# KiCad board DFTBoard.kicad_pcb (continued)
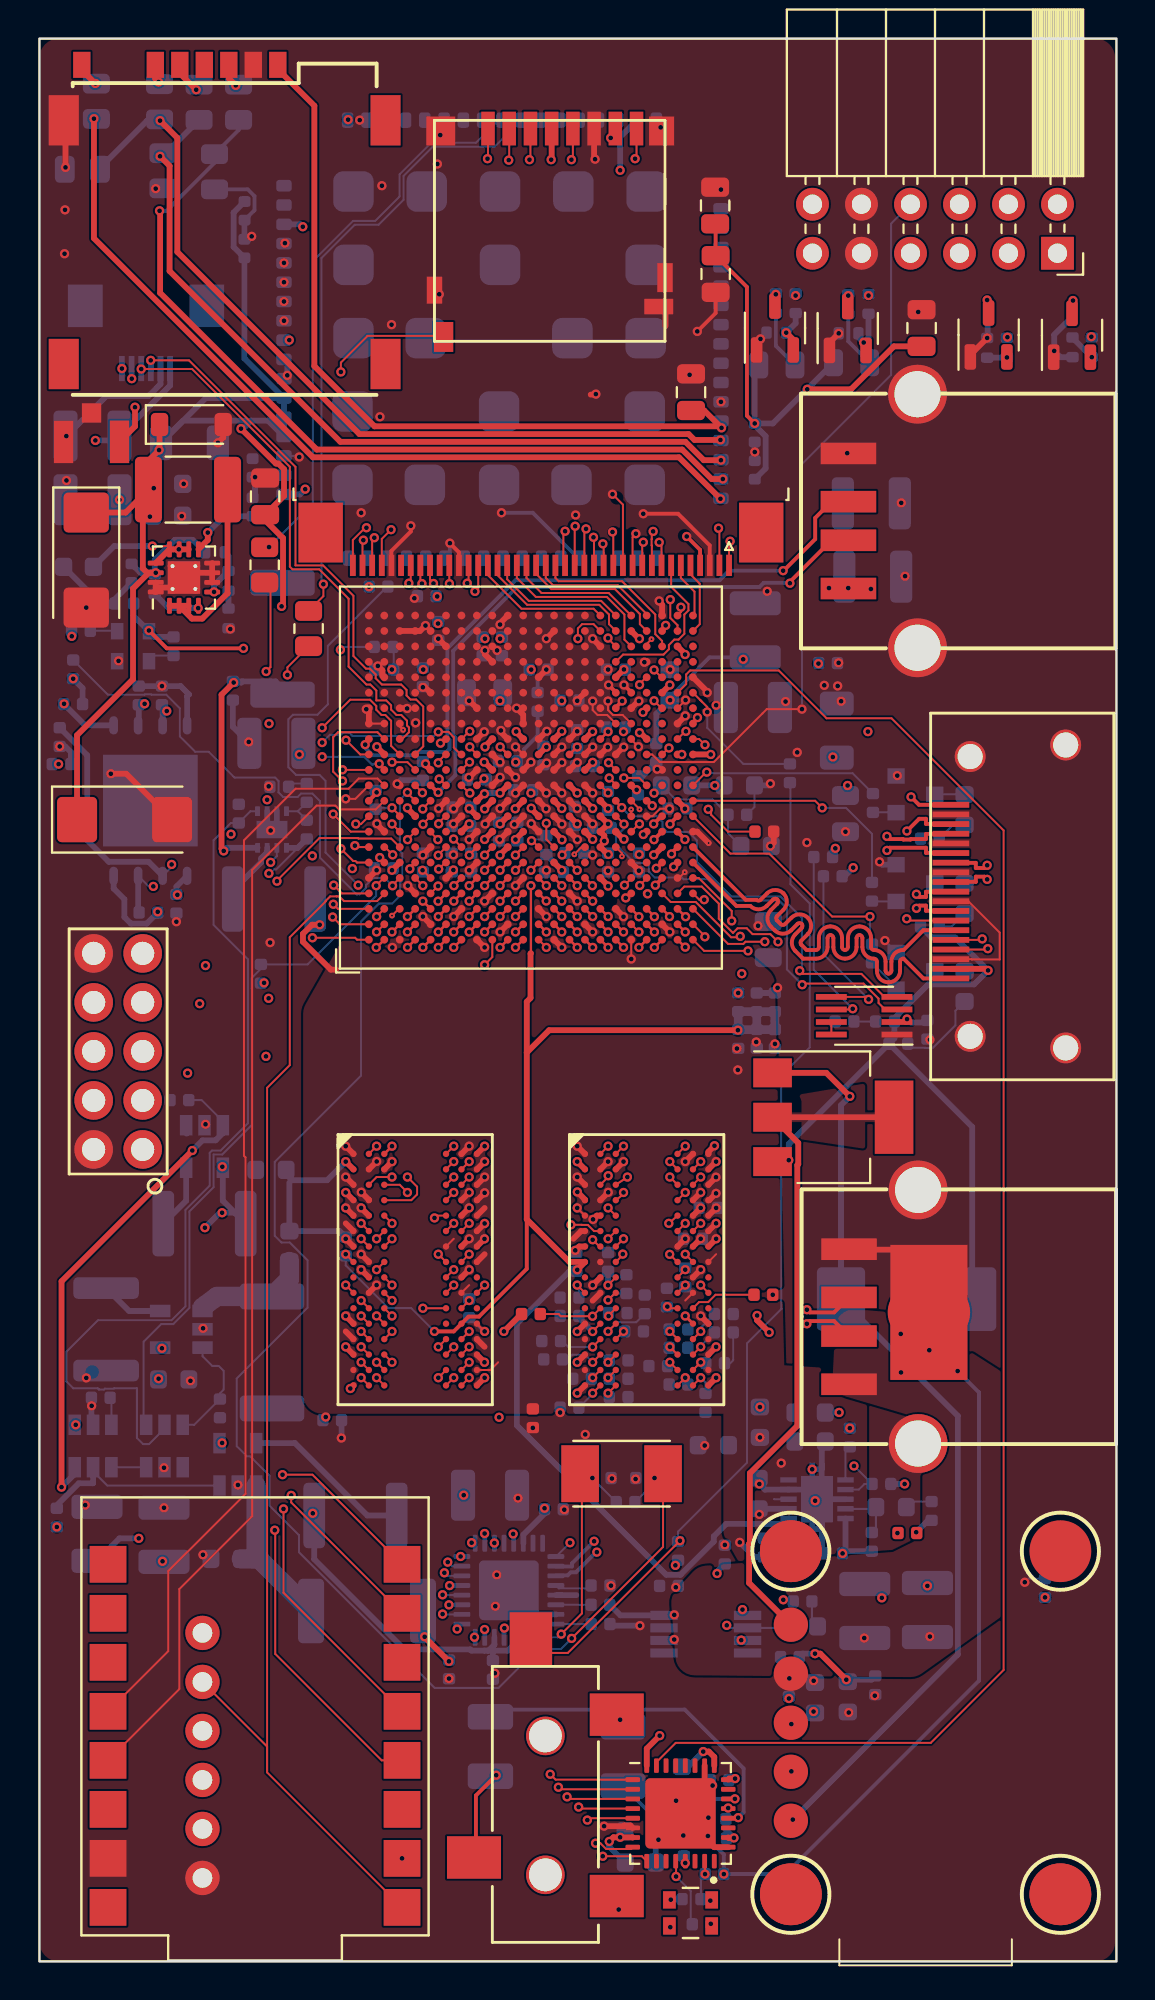
[diagram p0: board, top side]
## Nets (continued)
/USB/USBH_FLAG_LED: D3.2 R35.1
ACC_INT1: U20.W12
ACC_INT2: U20.V12
AX_TCLK: CON1.1 U20.G11
AX_TDI: CON1.9 U20.H13
AX_TDO: CON1.3 U20.G14
AX_TMS: CON1.5 U20.G12
BOOTSPI_CS: R106.1 U19.1 U20.A1
BOOTSPI_DQ0_BMODE3: R92.1 U19.5 U20.A2
BOOTSPI_DQ1_BMODE1: R94.1 U19.2 U20.F6
BOOTSPI_DQ2_BMODE2: R93.1 U19.3 U20.E4
BOOTSPI_DQ3_BMODE0: R95.1 U19.7 U20.A3
BOOTSPI_SCK_BMODE4: R91.1 U19.6 U20.A4
CLK33.33: R100.2 U18.3
CS: J3.38 U20.V8
DDR3_A0: R51.1 U15.N3 U16.N3 U20.M4
DDR3_A1: R52.1 U15.P7 U16.P7 U20.M5
DDR3_A2: R53.1 U15.P3 U16.P3 U20.K4
DDR3_A3: R54.1 U15.N2 U16.N2 U20.L4
DDR3_A4: R55.1 U15.P8 U16.P8 U20.K6
DDR3_A5: R56.1 U15.P2 U16.P2 U20.K5
DDR3_A6: R57.1 U15.R8 U16.R8 U20.J7
DDR3_A7: R58.1 U15.R2 U16.R2 U20.J6
DDR3_A8: R59.1 U15.T8 U16.T8 U20.J5
DDR3_A9: R60.1 U15.R3 U16.R3 U20.H5
DDR3_A10: R61.1 U15.L7 U16.L7 U20.J3
DDR3_A11: R62.1 U15.R7 U16.R7 U20.G5
DDR3_A12: R63.1 U15.N7 U16.N7 U20.H4
DDR3_A13: R64.1 U15.T3 U16.T3 U20.F4
DDR3_A14: R65.1 U15.T7 U16.T7 U20.G4
DDR3_BA0: R66.1 U15.M2 U16.M2 U20.L7
DDR3_BA1: R67.1 U15.N8 U16.N8 U20.L6
DDR3_BA2: R68.1 U15.M3 U16.M3 U20.M6
DDR3_CAS#: R70.1 U15.K3 U16.K3 U20.P3
DDR3_CK_N: R50.2 U15.K7 U16.K7 U20.N5
DDR3_CK_P: R50.1 U15.J7 U16.J7 U20.N4
DDR3_CKE: U15.K9 U16.K9 U20.V3
DDR3_CS#: R73.1 U15.L2 U16.L2 U20.P6
DDR3_DM0: U16.E7 U20.B1
DDR3_DM1: U16.D3 U20.H3
DDR3_DM2: U15.E7 U20.P1
DDR3_DM3: U15.D3 U20.AA2
DDR3_DQ0: U16.E3 U20.C3
DDR3_DQ1: U16.F7 U20.F2
DDR3_DQ2: U16.F2 U20.B2
DDR3_DQ3: U16.F8 U20.F1
DDR3_DQ4: U16.H3 U20.E3
DDR3_DQ5: U16.H8 U20.E1
DDR3_DQ6: U16.G2 U20.D3
DDR3_DQ7: U16.H7 U20.D1
DDR3_DQ8: U16.D7 U20.L3
DDR3_DQ9: U16.C3 U20.L1
DDR3_DQ10: U16.C8 U20.L2
DDR3_DQ11: U16.C2 U20.J1
DDR3_DQ12: U16.A7 U20.K1
DDR3_DQ13: U16.A2 U20.G2
DDR3_DQ14: U16.B8 U20.K3
DDR3_DQ15: U16.A3 U20.G1
DDR3_DQ16: U15.E3 U20.T3
DDR3_DQ17: U15.F7 U20.T1
DDR3_DQ18: U15.F2 U20.M1
DDR3_DQ19: U15.F8 U20.T2
DDR3_DQ20: U15.H3 U20.M2
DDR3_DQ21: U15.H8 U20.R1
DDR3_DQ22: U15.G2 U20.N3
DDR3_DQ23: U15.H7 U20.R3
DDR3_DQ24: U15.D7 U20.AA3
DDR3_DQ25: U15.C3 U20.Y1
DDR3_DQ26: U15.C8 U20.Y3
DDR3_DQ27: U15.C2 U20.W1
DDR3_DQ28: U15.A7 U20.AA1
DDR3_DQ29: U15.A2 U20.U1
DDR3_DQ30: U15.B8 U20.W3
DDR3_DQ31: U15.A3 U20.U2
DDR3_DQS0_N: U16.G3 U20.D2
DDR3_DQS0_P: U16.F3 U20.C2
DDR3_DQS1_N: U16.B7 U20.J2
DDR3_DQS1_P: U16.C7 U20.H2
DDR3_DQS2_N: U15.G3 U20.P2
DDR3_DQS2_P: U15.F3 U20.N2
DDR3_DQS3_N: U15.B7 U20.W2
DDR3_DQS3_P: U15.C7 U20.V2
DDR3_DRST#: R74.1 U15.T2 U16.T2 U20.F3
DDR3_ODT: R72.1 U15.K1 U16.K1 U20.P5
DDR3_RAS#: R69.1 U15.J3 U16.J3 U20.R5
DDR3_VTT: C128.1 C129.1 C130.1 R51.2 R52.2 R53.2 R54.2 R55.2 R56.2 R57.2 R58.2 R59.2 R60.2 R61.2 R62.2 R63.2 R64.2 R65.2 R66.2 R67.2 R68.2 R69.2 R70.2 R71.2 R72.2 R73.2 U8.3 U8.5
DDR3_VTT_EN: R25.2 U8.7 U20.B6
DDR3_WE#: R71.1 U15.L3 U16.L3 U20.R4
DE: J3.34 U20.V10
ESP32 TX: U14.3 U20.B11
ESP33 RX: U14.4 U20.B10
GPRS_RX: R18.1 U14.20 U20.Y16
GPRS_TX: R22.1 U14.21 U20.W16
GPRSrst: R14.1 U14.9 U20.W18
HDMI_B_N: J9.3 U20.AA8
HDMI_B_P: J9.1 U20.AA9
HDMI_CEC: J9.13 U20.W5
HDMI_CLK_N: J9.12 U20.Y8
HDMI_CLK_P: J9.10 U20.Y9
HDMI_G_N: J9.6 U20.AA6
HDMI_G_P: J9.4 U20.AA7
HDMI_HEAC_N: J9.19 U20.AB6
HDMI_HEAC_P: J9.14 U20.AB7
HDMI_R_N: J9.9 U20.Y5
HDMI_R_P: J9.7 U20.Y6
HPCOM_N: C48.1 U9.20
HPCOM_P: C49.1 U9.22
HS: J3.32 U20.U7
I2C5_HDMI_SCLK: J9.15 R83.2 U21.6
I2C5_HDMI_SDA: J9.16 R82.2 U21.5
I2C33_HDMI_SCLK: U20.U9 U21.3
I2C33_HDMI_SDA: U20.U10 U21.4
I2C33_SCLK: R103.2 U9.8 U20.C5
I2C33_SDA: R104.2 U9.9 U20.A6
I2S_ADCSD: U9.5 U20.AB15
I2S_BCLK: U9.2 U20.AA13
I2S_DACSD: U9.4 U20.AA14
I2S_LRCLK: U9.3 U20.AB14
I2S_MCLK: U9.1 U20.Y13
IMU_INT1: U20.W15
IMU_INT2: U20.Y15
INIT_B: R10.1 U20.T14
IR_RX: U20.AA18
JD_HOUT: R31.1 U20.AB17
JD_IN: U20.W17
JD_LOUT: U20.AB16
JD_ROUT: U20.AB19
LCD_D0: J3.5 U20.AB21
LCD_D1: J3.6 U20.AB22
LCD_D2: J3.7 U20.U19
LCD_D3: J3.8 U20.W20
LCD_D4: J3.9 U20.V5
LCD_D5: J3.10 U20.AB5
LCD_D6: J3.11 U20.AB4
LCD_D7: J3.12 U20.AA4
LCD_D8: J3.13 U20.Y4
LCD_D9: J3.14 U20.AB2
LCD_D10: J3.15 U20.U20
LCD_D11: J3.16 U20.AA21
LCD_D12: J3.17 U20.AA22
LCD_D13: J3.18 U20.Y21
LCD_D14: J3.19 U20.Y20
LCD_D15: J3.20 U20.W22
LCD_D16: J3.21 U20.W21
LCD_D17: J3.22 U20.V22
LCD_D18: J3.23 U20.V20
LCD_D19: J3.24 U20.U22
LCD_D20: J3.25 U20.U21
LCD_D21: J3.26 U20.T22
LCD_D22: J3.27 U20.T21
LCD_D23: J3.28 U20.AB1
LED_1B_CTRL: U20.Y19
LED_1G_CTRL: U20.AB20
LED_1R_CTRL: U20.AA19
LED_2B_CTRL: U20.AA12
LED_2G_CTRL: U20.Y11
LED_2R_CTRL: U20.AB12
LEDA: J3.2 U20.U12
LEDK: J3.1 U20.U11
LOUT_N: U9.28
LOUT_P: U9.27
Pclk: J3.30 U20.R7
PCM_CLK: U13.11
PCM_DIN: U13.13
PCM_OUT: U13.14
PCM_SYNC: U13.12
PMOD1: PMOD1.1 U20.U16
PMOD2: PMOD1.3 U20.U15
PMOD3: PMOD1.5 U20.V17
PMOD4: PMOD1.7 U20.U17
PMOD5: PMOD1.2 U20.AA16
PMOD6: PMOD1.4 U20.V15
PMOD7: PMOD1.6 U20.V14
PMOD8: PMOD1.8 U20.W13
PROGRAM_B: R9.1 U20.T11
PWRKEY: R12.1 U14.8 U20.Y18
RF2_IRQ: U20.E6
RF_IRQ: U20.AA11
ROUT_N: U9.30
ROUT_P: U9.29
RST: J3.37 U20.W8
SCL: J3.39 U20.W10
SD_CD: J8.9 R99.2 U20.A13
SD_CLK: J8.5 R26.2
SD_CMD: J8.3 U20.E9
SD_D0: J8.7 U20.A7
SD_D1: J8.8 U20.E10
SD_D2: J8.1 U20.A8
SD_D3: J8.2 U20.F11
SDA: J3.40 U20.W11
STATLED_0: R77.2 U20.AB11
STATLED_1: R79.2 U20.AB10
STATLED_2: R85.2 U20.AB9
T_INT: J4.2 U20.D11
T_RST: J4.1 U20.D12
T_SCL: J4.3 U20.C14
T_SDA: J4.4 U20.D13
TEMPO_LED: U20.R6
TEMPO_SW: U20.Y14
TLV_RST#: U9.31 U20.AA17
UART33_RX: U14.6 U17.4 U20.G7
UART33_TX: U14.5 U17.5 U20.B4
USB0_CLK: U10.1 U20.A9
USB0_D0: U10.3 U20.C7
USB0_D1: U10.4 U20.G13
USB0_D2: U10.5 U20.B12
USB0_D3: U10.6 U20.F14
USB0_D4: U10.7 U20.A12
USB0_D5: U10.9 U20.B14
USB0_D6: U10.10 U20.F13
USB0_D7: U10.13 U20.C13
USB0_dir: U10.31 U20.E8
USB0_nxt: U10.2 U20.F9
USB0_RST: U10.27 U20.D10
USB0_stp: U10.29 U20.A11
USB1_RST: U20.C12
USBD_D_N: U12.2 U20.C8
USBD_D_P: U12.3 U20.D8
USBH_CPEN: U10.17 U11.1
USBH_D_N: J6.2 U10.19
USBH_D_N1: J2.2 U20.E11
USBH_D_P: J6.3 U10.18
USBH_D_P1: J2.3 U20.A14
USBH_FAULT: D3.1 U11.2 U20.B7
USBH_VBUS: C73.2 C74.2 J6.1 R36.2 U11.6 U11.8
VMODE0: R96.1 U20.D5
VMODE1: R97.1 U20.E5
VS: J3.33 U20.V9
ZYNQ_POR: R5.2 U2.4 U20.B5
Net-(AE1-A): AE1.1 U13.60
Net-(D7-K): D7.1 R101.2 U8.9
Net-(D8-A2): D8.2 Q2.3 U13.1
Net-(D9-A2): D9.2 Q4.3 U13.16
Net-(D10-K): D10.2 R105.2
Net-(D11-K): D11.2 R107.2
Net-(L5-Pad1): L5.1 U6.1 U6.2 U6.3
Net-(Q1-D): Q1.2 U12.5
Net-(Q1-G): Q1.1 S8KC-13.2 U12.1
Net-(Q2-B): Q2.2 R12.2 R16.1
Net-(Q4-B): Q4.2 R14.2 R17.1
Net-(Q6-B): Q6.2 R44.2 R45.1
Net-(Q6-C): Q6.3 R105.1
Net-(Q7-B): Q7.2 R84.2 R87.1
Net-(Q7-C): Q7.3 R107.1
Net-(R7-Pad2): R7.2 R8.1
Net-(R27-Pad2): R27.2 R29.1
Net-(R34-Pad2): R34.2 R81.1
Net-(U1-EN): C1.1 U1.3
Net-(U1-FLAG3): U1.4 U2.3
Net-(U5-FB): R6.1 R7.1 U5.4
Net-(U5-SW): L1.1 U5.7
Net-(U6-FB): R24.1 R27.1 U6.5
Net-(U6-PG): R23.1 U6.4
Net-(U6-SS/TR): C37.2 U6.9
Net-(U8-REFOUT): C131.1 U8.6
Net-(U9-MIC1RM/LINE1RM): C45.2 U9.13
Net-(U10A-VBUS): R36.1 U10.22
Net-(U10A-VDD33): C69.2 U10.20
Net-(U10C-RBIAS): R38.1 U10.24
Net-(U10D-REFCLK): C75.2 R37.1 U10.26 Y1.1
Net-(U10D-XO): C76.2 R37.2 U10.25 Y1.2
Net-(U13-RXD): R22.2 U13.10
Net-(U13-TXD): R18.2 U13.9
Net-(U18-OE): R98.1 U18.1
Net-(U20F-PS_CLK_500): R100.1 U20.F7
Net-(U20G-PS_MIO16_501): R26.1 U20.D6
Net-(U20G-PS_SRST_B_501): R33.1 U20.C9
Net-(U20H-PS_DDR_VRN_502): R75.1 U20.M7
Net-(U20H-PS_DDR_VRP_502): R76.1 U20.N7
Net-(U21-EN): R34.1 U21.7 U21.8

Pads without a net: CON1 6 7 8; J1 2 3 4 C6; J3 31 35 MP; J4 MP; J5 ~; PMOD1 11 12; U9 10 11 14 16 19 23; U10 12 15 16; U11 4 5; U12 P$1; U13 3 4 5 6 7 8 15 19 20 21 22 23 24 25 26 27 28 35 36 37 38 40 41 42 43 44 47 48 49 50 51 53 67 68 GND; U14 0 1 2 3.3 5V 7 10; U15 J1 J9 L1 L9 M7; U16 J1 J9 L1 L9 M7; U17 2 6; U20 B9 C4 C10 D7 E13 E14 F8 F12 G6 T4 T6 T12 U4 U5 U6 U14 V7 V13 V18 V19 W6 W7 Y10

## Via types
v1: diameter 0.48, hole 0.25, TOP_GND to BOTTOM, 884 vias
v2: diameter 0.3, hole 0.1, TOP_GND to BOTTOM, 8 vias
v3: diameter 0.3, hole 0.1, TOP_GND to GND0, 1 via

## Routing (per net, layer and track width the routed paths; a pad name or vN(x,y) marks a point on that pad's centre or on a via; arc(x,y) is an arc through that point)
1v0en: length 25.8
  TOP_GND w0.3: v1(1.14,24.58) 1.14,35.24 v1(7.93,42.03)
  BOTTOM w0.102: 9.51,43.54 8.41,44.64 R1.2
  BOTTOM w0.3: 1.83,25.27 v1(1.14,24.58) ; U3.3 9.51,42.93 9.13,42.55 8.45,42.55 v1(7.93,42.03)
1v8en: length 10.2
  BOTTOM w0.102: U7.3 3.52,24.66 2.78,25.4
  BOTTOM w0.3: R2.2 0.9,23.64 2.04,24.78 2.78,24.78 U1.5
1v35en: length 46.4
  BOTTOM w0.102: U5.1 10.94,59.61 R4.2 9.93,59 9.03,58.1 9.03,53.72 10.81,51.94 10.81,51.06 10.81,43.44 9.39,42.02 8.94,42.02 8.82,41.9 8.82,40.2 7.57,38.95 7.57,33.95 6.85,33.23 3.04,33.23 1.4,31.59 1.4,30.06 1.75,29.7 3.02,29.7 3.08,29.65 3.09,29.65 3.1,29.64 3.35,29.64 3.39,29.68 3.85,29.68 3.87,29.7 5.05,29.7 5.05,27.13 5.37,26.81 5.68,26.81 6.48,27.61
1v35PG: length 21.4
  TOP_GND w0.102: v1(30.39,55.12) 30.44,55.12 U20.V4
  SIGNAL4 w0.102: v1(30.39,55.12) 29.51,55.12 29.05,55.57 29.05,55.93 28.03,56.94 25.64,56.94 24.84,57.74 21.3,57.74 21.29,57.74 18.54,57.74 18.53,57.75 17.63,57.75 16.9,57.03 16.06,57.03 15.93,56.9 12.04,56.9 v1(11.98,56.96)
  BOTTOM w0.102: U5.6 12.31,57.28 v1(11.98,56.96)
3v3en: length 5.9
  BOTTOM w0.102: 8.46,31.81 8.46,31.36 8.96,30.86 9.29,30.86 9.55,30.61 9.55,29.63 9.36,29.44 R3.2 8.02,27.81 U2.6
+1V0: length 32.8
  TOP_GND w0.13: U20.P13 27.86,62.93 v1(27.88,62.93) ; U20.H11 23.02,61.3 v1(23.05,61.3) ; v1(23.88,62.94) 23.88,62.94 U20.K13
  TOP_GND w0.3: U20.M13 26.26,62.93 v1(26.28,62.93) ; v1(24.68,58.14) 24.68,58.15 U20.L8 ; v1(22.28,58.95) U20.G8 ; v1(23.08,59.73) 23.08,59.75 U20.J10 ; v1(27.09,58.13) 27.09,58.14 U20.N8 ; v1(23.08,58.15) 23.08,58.15 U20.J8 ; v1(22.28,59.75) U20.H9 ; U20.N14 v1(27.08,63.75) ; v1(23.09,62.94) 23.09,62.97 U20.J14 ; U20.R8 v1(28.67,58.15) ; v1(24.71,63.74) 24.71,63.71 U20.L14 ; v1(23.05,62.15) 23.07,62.15 U20.J12 ; v1(28.67,63.73) 28.66,63.73 U20.R14
  SIGNAL1 w0.102: v1(22.28,58.95) 21.88,58.55 21.64,58.55 21.63,58.56 21.3,58.56 21.3,58.55 20.05,58.55 19.24,57.74 18.92,57.74 17.57,57.74 16.46,56.64 v1(16.22,56.64)
  BOTTOM w0.2: C11.1 32.68,65.53 34.74,67.59 C25.1
  BOTTOM w0.3: U3.4 9.51,39.42 L3.2 10.13,38.8 v1(9.47,38.8) 9.35,38.8 v1(8.58,38.03) ; C28.1 4.15,21.93 v1(5.15,21.93) ; C24.1 31.97,64.66 C11.1
  vias: v1(6.38,20.74) v1(9.48,41.19) v1(32.69,65.36) v1(36.48,67.48) v1(40.38,67.26)
+1V8: length 32.8
  TOP_GND w0.3: v1(27.88,58.95) U20.P9 ; v1(25.49,59.76) 25.49,59.73 U20.M9 ; U20.T9 v1(29.47,58.95) U20.T8 29.28,58.35 v1(29.28,58.07) ; v1(23.07,60.51) 23.04,60.51 U20.H10 ; U20.K9 v1(23.88,58.95) ; U20.T7 29.46,57.37 v1(29.49,57.37) ; U9.32 31.48,11.03 v1(32.15,11.7) ; v1(29.47,59.75) U20.T10 ; U20.K11 v1(23.88,60.55) ; v1(28.68,62.14) 28.66,62.14 U20.R12
  SIGNAL1 w0.3: v1(24.69,62.16) 24.69,62.19 25.17,62.67
  SIGNAL4 w0.102: v1(23.88,60.55) 23.48,60.16 23.48,59.34 v1(23.88,58.95)
  BOTTOM w0.2: C19.1 25.83,63.53 25.12,62.82 25.12,62.56 C20.1
  BOTTOM w0.3: v1(23.88,60.55) 23.1,60.55 v1(23.07,60.51) ; 23.53,16.11 23.51,16.08 C78.1 ; 23.53,16.11 24.28,16.11 24.58,16.41 U10.28 ; 23.53,16.11 23.06,16.11 ; FB1.2 C26.1 ; 23.06,16.11 23.28,16.11 23.58,16.41 U10.30 ; 23.06,16.11 22.39,16.11 22.33,16.17 18.92,16.17 14.24,20.85 L4.2
  vias: v1(9.47,26.87) v1(14.17,23.22) v1(25.48,60.55) v1(30.28,63.73) v1(32.97,20.53) v1(35.01,60.94) v1(35.08,65.1) v1(38.85,13.62) v1(40.12,12.95) v1(41.13,62.42) v1(41.89,60.94) v1(42.94,63.74)
+1V35: length 47.4
  TOP_GND w0.102: U16.K8 22.28,35.05 ; U15.K8 33.47,34.25 ; U16.G7 21.48,37.45 ; U16.N9 23.07,31.85 ; U16.R9 23.38,30.65 23.78,31.05 ; U20.V1 v1(30.68,51.95) ; 34.68,36.25 35.08,36.65
  TOP_GND w0.3: 34.68,39.45 34.72,39.45 v1(35.07,39.8) ; U15.F1 28.08,37.85 27.68,37.45 ; U20.F5 21.46,56.53 v1(21.46,56.56) ; U20.N6 v1(27.08,56.55) ; 15.38,51.4 15.1,51.4 13.66,52.84 13.66,53.25 14.13,53.73 v1(14.53,53.73) ; U16.D9 22.69,39.45 v1(23.08,39.83) ; U15.A1 v1(27.88,42.25) ; v1(15.88,40.65) U16.C1 ; v1(16.68,39.86) 17.08,39.47 U16.D2 ; U16.H2 v1(16.68,36.65) ; U20.M3 v1(26.28,54.15) ; U20.K7 23.88,57.35 v1(23.88,57.33) ; U16.F1 15.88,38.25 ; 29.08,34.64 28.68,34.24 ; 33.08,37.05 v1(33.47,37.45) ; U20.R2 v1(28.68,53.35) ; U20.J4 v1(23.08,54.95) ; 29.08,36.25 29.08,36.23 ; U20.E2 v1(19.88,54.15) ; U16.N1 15.88,32.65 ; U15.A8 v1(33.47,41.45) ; U15.C1 v1(27.88,40.65) ; 34.68,38.65 v1(35.08,39.05) ; 22.68,38.65 23.08,39.05 ; v1(17.48,35.05) U16.K2 ; U16.H9 23.08,36.65 ; U20.H1 v1(23.08,52.55) ; 29.08,41.05 v1(29.47,41.45) ; 22.68,32.25 23.07,31.85 ; 34.68,40.25 v1(35.07,40.64) ; U16.C9 v1(23.08,40.65) ; U16.A1 v1(15.88,42.25) ; U16.A8 v1(22.28,42.25) ; 17.08,41.05 v1(17.48,41.46) ; 29.08,39.45 v1(29.48,39.86)
  SIGNAL1 w0.102: v1(11.89,56.39) 11.96,56.39 12.38,56.8 12.38,61.45 v1(13.48,62.55)
  SIGNAL1 w0.3: v1(37.34,27.16) 38.45,26.05 v1(38.45,25.83)
  GND1 w0.3: v1(17.48,35.05) 17.97,35.54 17.97,36.09 17.4,36.65 v1(16.68,36.65)
  BOTTOM w0.102: R6.2 12.28,56.6 12.17,56.6 11.96,56.39 v1(11.89,56.39)
  BOTTOM w0.3: 26.28,57.35 v1(27.08,56.55) ; 13.83,58.15 13.38,57.71 12.83,57.71 ; v1(36.3,21.72) 37.06,20.96 C103.1 ; v1(37.32,23.17) 37.6,23.45 U8.2
  vias: v1(14.84,28.21) v1(36.16,47.31) v1(36.2,46.2) v1(37.16,47.65) v1(38.12,47.55)
+3V3: length 110.2
  TOP_GND w0.102: v1(17.48,54.15) 17.48,54.15 U20.B3 ; U20.AB3 35.69,52.73 36.49,52.73 36.6,52.85 v1(37.6,52.85)
  TOP_GND w0.2: U20.A10 17.47,60.55 v1(17.47,60.59) ; v1(5.68,68.98) 6.6,68.05 v1(10.58,68.05) ; v1(33.55,73.85) 34.25,73.15 34.25,72.35
  TOP_GND w0.3: U20.C6 v1(18.28,56.55) ; U20.U18 30.28,66.96 v1(30.3,66.96) ; v1(26.53,93.38) 26.55,93.4 J8.4 ; v1(31.1,63.68) 31.14,63.68 U20.W14 ; v1(44.97,48.84) 44.97,48.73 44.93,48.69 ; v1(29.54,6.22) 29.75,6.43 v1(30.1,6.43) 30.1,6.43 30.75,6.43 30.75,6.42 ; U20.AA20 33.47,67.76 v1(33.47,67.73) ; U20.Y7 31.87,57.35 v1(31.84,57.35) ; v1(30.95,60.72) 30.91,60.72 U20.V11 ; U20.Y17 v1(32.68,66.15) ; U9.25 34.98,10.59 34.7,10.88 v1(34.41,10.88) ; v1(30.3,58.16) 30.27,58.16 U20.U8 ; v1(31.1,68.55) 31.08,68.55 U20.V21 ; U20.B13 17.49,62.93 v1(17.49,62.95) ; v1(20.01,62.07) 20.01,62.01 U20.E12 ; U20.D9 19.07,59.75 v1(19.07,59.78) ; U20.T5 29.48,55.75 v1(29.48,55.73) ; v1(41.83,14.6) 40.47,15.95 v1(40.2,15.95) ; U20.AA10 33.46,59.77 v1(33.46,59.74) ; U9.18 35.72,6.4 v1(36,6.4) ; U9.24 35.76,9.48 v1(36.06,9.48) ; U20.AB13 34.79,62.55 v1(34.79,62.55)
  SIGNAL1 w0.102: 17.32,58.51 17.32,58.24 16.09,57.01 16.04,57.01 15.7,56.67 15.7,56.39 15.93,56.16 16.35,56.16 16.36,56.17 16.68,56.17 16.7,56.16 17.88,56.16 v1(18.28,56.55)
  SIGNAL1 w0.2: v1(19.07,59.78) 19.07,59.15 18.72,58.79 18.72,58.77 18.46,58.51 18.43,58.51 17.32,58.51 17.05,58.78 17.05,60.16 v1(17.47,60.59) 18.96,62.07 v1(20.01,62.07) 20.01,62.08 20.59,62.67 20.94,62.67 21.25,62.97 21.25,64 21.08,64.18 20.3,64.18 19.53,63.4 17.94,63.4 v1(17.49,62.95) 17.49,63.08 15.65,64.93 12.62,64.93 11.9,64.2 v1(11.9,64.15)
  SIGNAL1 w0.3: v1(8.61,51.61) 9.5,50.71 v1(11.64,50.71)
  SIGNAL4 w0.102: 31.97,63.68 32.3,64 32.3,65.77 v1(32.68,66.15)
  SIGNAL4 w0.2: v1(10.58,68.05) 10.58,66.36 11.9,65.04 v1(11.9,64.15)
  SIGNAL4 w0.3: v1(34.79,62.55) 34.28,62.55 33.57,63.26 33.02,63.26 32.59,63.68 v1(31.1,63.68) ; v1(6.35,31.78) 6.35,30.38 v1(6.18,30.2) 2.47,30.2 v1(2.43,30.24) 3.04,30.24 3.24,30.04
  BOTTOM w0.102: C46.1 18.36,68.09
  BOTTOM w0.3: v1(35.12,20.11) 35.12,20.2 C70.1 ; 33.62,10.09 v1(34.41,10.88) ; v1(29.54,6.22) 29.54,5.95 C60.1 ; R98.2 5.97,68.64 U18.4 4.89,69.72 C120.1 ; C71.1 26.18,23.21 25.08,22.11 U10.14 ; v1(41.63,21.14) 41.78,21.29 U8.10 ; R25.1 v1(44.84,24.74) ; C56.2 35.98,9.4 v1(36.06,9.48) ; R83.1 41.11,57.54 v1(41.25,57.69) ; R106.2 2.23,65.99 v1(1.75,66.47) ; C62.1 35.97,6.38 v1(36,6.4) 35.59,6.81 C52.2 ; C39.2 43.13,14.6 v1(41.83,14.6) ; C68.1 39.56,15.95 v1(40.2,15.95) ; C67.1 6.78,81.68 J4.6 ; 30.1,6.5 v1(30.1,6.43) ; R95.2 5.56,53.79 4.74,53.79 4.4,54.12 4.4,55.05 3.84,55.61 U19.8 ; 45.91,48.66 45.15,48.66 v1(44.97,48.84) ; 41.73,56.24 v1(42.18,56.69) ; R102.2 46.06,22.86 v1(45.44,22.24) ; v1(2.9,78.83) 3.93,78.83 ; R101.1 41.75,21.26
  vias: v1(4.15,75.75) v1(6.13,54.4) v1(18.27,66.95) v1(19.89,66.95) v1(20.62,70.74) v1(20.66,69.34) v1(21.83,20.99) v1(21.99,24.16) v1(22.55,16.8) v1(23.09,68.55) v1(23.58,21.69) v1(23.88,68.55) v1(23.87,65.33) v1(25.49,66.95) v1(26.18,23.49) v1(27.08,65.33) v1(31.09,57.36) v1(31.53,55.33) v1(38.56,18.74) v1(52.12,18.87)
+3V8: length 135.7
  TOP_GND w0.2: 35.05,90.03 C89.1 36.67,86.78 36.67,80.11 v1(37.08,79.71)
  TOP_GND w0.3: v1(12.55,70.23) 12.63,70.3 12.63,73.76 11.7,74.68 ; D2.1 6.23,78.35 v1(6.2,78.33) 5.65,77.78 ; v1(10.45,79.44) 12.26,77.63 12.38,77.63 12.68,77.33 12.68,75.95 C88.1 ; C44.1 4.46,75.09 L5.2 ; 5.36,75.98 5.36,72.19 5.58,71.97 v1(6.03,71.97) 5.67,71.97 4.85,71.15 4.85,66.45 1.95,63.55 C40.1 ; v1(39.8,81.48) 42.07,81.48 44.29,83.7 45.72,83.7
  SIGNAL1 w0.3: v1(37.08,79.71) 36.81,79.97 26.99,79.97 17.43,70.4 8.68,70.4 8.45,70.63 6.67,70.63 6.03,71.27 v1(6.03,71.97)
  BOTTOM w0.3: 10.98,79.85 10.56,79.44 v1(10.45,79.44) ; 10.98,79.85 11.85,79.85 U13.55 U13.57 ; 10.98,79.85 7.45,79.85 C132.1 8.62,81.03 U13.57 ; U13.57 10.62,83.08 C112.1 10.06,88.85 10.06,90.63 C111.1 ; D11.1 38.02,79.71 v1(37.08,79.71) 37.08,82.52 ; 37.08,79.61 37.64,79.04 37.64,77.38 C92.1 ; R23.2 5.98,72.63 7.02,73.67 7.94,73.67 R24.2 ; v1(6.03,71.97) 5.23,71.97 C124.1
  vias: v1(5.73,74.88) v1(5.93,76.35)
+5V: length 61.1
  TOP_GND w0.102: 6.93,73.18 6.76,73.35 v1(5.85,73.35)
  TOP_GND w0.3: v1(21.23,15.55) 19.97,16.81 v1(19.97,16.83) ; v1(7.23,73.18) U6.10 ; v1(7.23,73.18) U6.12 U6.13 ; v1(7.23,73.18) U6.11 ; v1(49.17,51.36) 49.09,51.44 J9.18
  SIGNAL1 w0.3: v1(11.74,46.9) 10.87,46.04 v1(7.68,46.04) ; v1(11.88,49.91) 11.22,49.25 8.69,49.25 v1(8.31,49.64)
  SIGNAL4 w0.3: v1(1.88,27.81) 1.88,23.49 v1(0.9,22.51)
  BOTTOM w0.3: v1(38.84,41.52) 38.84,42.36 R86.2 ; C21.1 3.88,73.35 v1(5.85,73.35) ; R86.2 44.32,47.84 R81.2 44.32,48.88 46.07,50.63 48.45,50.63 v1(49.17,51.36) 47.47,53.06 46.24,53.06 R80.2 ; R86.2 48.35,43.25 S8KC-13.1 ; 7.63,42.9 7.63,43.41 ; U10.21 27.83,18.98
  vias: v1(40.93,71.18) v1(41.93,71.18) v1(43.1,71.13)
/Power/1V0TOLX: length 3.4
  BOTTOM w0.3: U3.5 7.61,39.42 L3.1
/Power/1V8_CS: length 8.5
  BOTTOM w1: C13.1 11.08,20.86 11.23,21.01 ; 11.23,21.01 U7.1 ; 11.23,21.01 R90.2
/Power/1V8TOLX: length 8.8
  BOTTOM w0.3: L4.1 16.99,23.11 13.24,26.86 U7.5
/Power/1V35_CS: length 14.2
  TOP_GND w0.3: v1(9.55,57.55) 9.44,57.66 9.44,65.65 v1(10.07,66.28)
  BOTTOM w0.3: C108.1 10.53,66.34 ; 10.53,66.34 11.57,66.34 11.57,66.33 11.98,66.33 11.98,66.34 12.24,66.34 12.68,65.9 ; 10.53,66.34 10.47,66.28 v1(10.07,66.28) ; v1(9.55,57.55) 9.71,57.71 U5.8
/Power/3V3_CS: length 6
  BOTTOM w1: 8.46,33.91 9.21,34.46 R88.2 12.96,35.36 C3.1
/Power/3V3TOLX: length 3.3
  BOTTOM w0.3: U4.5 4.64,33.71 L2.1
/Power/VCCAUX: length 12.3
  TOP_GND w0.3: U20.P11 v1(27.88,60.55) ; v1(27.08,59.75) U20.N10 ; U20.L10 v1(24.66,59.74) ; U20.R10 v1(28.68,59.75)
  SIGNAL1 w0.102: v1(28.68,59.75) 29.09,60.17 30,60.17 30.16,60.33 31.64,60.33 v1(31.86,60.55)
  BOTTOM w0.102: C33.1 35.69,58.47 C34.1 34.89,60.22 32.96,60.22 FB1.1
  BOTTOM w0.3: v1(31.86,60.55) 31.87,60.55 32.24,60.91
GND: length 195
  TOP_GND w0.102: U16.M9 v1(23.08,32.65) ; U15.E1 v1(27.88,39.05) ; v1(32.66,59.74) 32.16,59.74 31.78,59.35 U20.W9 ; v2(18.85,63.83) 18.68,64 U20.C15 ; U20.A15 U20.B15 ; 33.15,56.15 v2(33.45,56.45) ; J9.17 48.32,51.94 48.33,51.93 49.78,51.93 49.78,53.32 48.15,54.94 J9.11 ; U16.P9 23.07,31.06
  TOP_GND w0.13: v1(24.68,62.94) 24.68,62.94 U20.L13
  TOP_GND w0.2: 18.25,72.35 18.25,73.1 19.25,74.11 v1(19.25,74.4) ; v1(34.1,84.48) 35.05,85.43 C89.2 ; 34.75,72.35 34.75,73.38 33.1,75.03 v1(31.3,75.03) ; v1(21.28,73.5) 21.75,73.03 21.75,72.35
  TOP_GND w0.3: v1(29.46,62.93) 29.46,62.93 U20.T13 ; v1(17.49,58.96) 17.49,58.93 U20.B8 ; U20.L5 v1(24.68,55.75) ; 34.68,41.85 34.68,41.96 v1(34.99,42.27) ; U20.K22 23.87,69.35 v1(23.87,69.28) ; U16.E1 v1(15.88,39.05) ; U20.F10 20.69,59.77 v1(20.69,59.75) ; U20.Y2 v1(32.68,53.35) ; U20.AA15 v1(33.47,64.55) ; 34.68,41.05 v1(35.08,41.45) ; v1(27.88,39.88) 28.28,39.48 U15.D1 ; U20.C11 18.6,61.03 v1(18.54,61.03) ; U20.R11 v1(28.68,60.55) ; U15.G8 v1(34.28,37.45) ; U15.J8 v1(34.28,35.85) ; v1(28.84,81.23) 28.82,81.2 28.58,81.2 ; U20.B18 17.78,66.65 17.78,66.9 v1(17.54,67.14) ; v1(19.88,57.33) 19.88,57.35 U20.E7 ; v1(19.09,55.75) 19.09,55.73 U20.D4 ; U16.G8 v1(22.28,37.45) ; 30.75,6.92 30.63,7.04 30.31,7.04 30.28,7.01 v1(29.27,7.01) ; U20.P8 27.88,58.14 v1(27.88,58.14) ; U16.A9 v1(23.08,42.25) ; U20.K12 24.66,61.37 v1(24.68,61.37) ; U20.N21 v1(26.28,68.55) ; v1(23.09,67.94) 23.09,67.73 U20.J19 ; U20.H12 22.29,61.36 v1(22.26,61.36) ; U20.H6 22.28,56.55 v1(22.28,56.55) ; U16.G1 v1(15.88,37.45) ; U16.D1 v1(15.88,39.85) ; U20.H14 23.05,63.73 v1(23.05,63.73) ; U16.P1 v1(15.88,31.85) ; v1(21.46,58.95) 21.48,58.95 U20.G9 ; U20.N9 27.08,58.94 v1(27.08,58.94) ; v1(9.25,78.7) 9.53,78.97 D2.2 ; 22.68,37.05 v1(23.07,37.45) ; U16.B1 v1(15.88,41.45) ; v1(27.88,62.13) 27.86,62.13 U20.P12 ; J8.10 32.45,85.41 32.45,84.75 ; v1(23.88,61.37) 23.88,61.35 U20.J11 ; R76.2 38.06,57.97 v1(37.89,57.8) ; U20.R9 v1(28.68,58.95) ; U16.E8 v1(22.28,39.05) ; U20.P14 v1(27.88,63.75) ; U20.U3 30.27,54.15 v1(30.27,54.14) ; U16.J8 v1(22.28,35.85) ; v1(23.1,58.94) 23.1,58.98 U20.J9 ; v1(23.92,63.79) 23.92,63.71 U20.K14 ; v1(27.78,36.85) 27.97,37.05 U15.G1 ; U6.7 7.74,71.97 ; 40.97,83.92 v1(41.43,84.38) ; U20.L9 24.65,58.93 v1(24.61,58.93) ; U20.M18 v1(26.28,66.95) ; U20.H8 22.28,58.15 v1(22.28,58.14) ; J8.6 28.75,93.45 v1(28.8,93.4) ; U16.E2 v1(16.68,39.05) ; U20.G10 21.47,59.74 v1(21.47,59.74) ; v1(26.26,59.74) 26.26,59.76 U20.M10 ; U20.W19 31.37,67.35 v1(31.36,67.33) ; U20.L11 v1(24.68,60.55) ; U20.U13 30.26,62.93 v1(30.28,62.93) ; U20.M11 v1(26.28,60.55) ; 48.28,83.48 48.47,83.48 v1(49.12,84.14) ; v1(27.08,62.13) 27.06,62.13 U20.N12 ; v2(34.69,57.96) 34.1,58.55 U20.AB8 ; U16.B9 v1(23.08,41.45) ; C40.2 4.5,61.55 v1(3.7,61.55) ; U20.T20 v1(28.68,68.55) ; U20.C16 19.04,64.95 v1(19.06,64.93) ; v1(24.73,64.95) 25.08,64.61 U20.L15 ; 42.59,36.89 45.38,36.89 ; 29.08,35.44 v1(28.68,35.04) ; U20.M8 25.49,58.94 v1(25.49,58.96) ; U20.G3 v1(21.48,54.15) ; v1(23.86,58.15) 23.87,58.15 U20.K8 ; U15.T1 v1(27.88,29.45) ; v1(19.88,66.03) 19.99,66.03 U20.E17 ; U20.A5 v1(17.48,56.55) ; U20.V6 31.07,56.55 v1(31.07,56.53) ; v1(20.01,69.23) 19.73,68.95 U20.C21 ; v1(22.27,65.33) 22.29,65.33 U20.H16 ; U16.T9 v1(23.08,30.25) ; v1(1.35,92.98) 1.35,95.33 ; 29.08,38.65 28.89,38.65 v1(28.7,38.46) ; U20.A15 17.08,64.76 v1(16.94,64.9) ; U16.T1 v1(16.12,29.69) ; U20.AB18 34.61,65.81 v1(34.61,65.76) ; U20.N1 v1(27.08,52.55) ; v1(23.88,62.15) 23.87,62.15 U20.J13 ; 6.03,71.2 U6.16 ; 6.03,71.2 U6.15 ; 6.03,71.2 6.97,71.2 ; U16.D8 v1(22.28,39.85) ; U15.B1 v1(27.88,41.45) ; U20.R17 27.88,65.35 v1(27.88,65.33) ; 34.68,33.05 v1(34.28,33.45) ; U20.Y22 32.28,70.3 32.12,70.46 v1(32.12,70.51) ; U20.K2 v1(23.88,53.35) ; 34.68,29.85 v1(35.08,30.25) ; U15.D8 v1(34.28,39.85) ; U20.N13 27.06,62.93 v1(27.08,62.93) ; U16.J2 v1(16.68,35.85) ; U20.L12 v1(25.48,62.15) ; v1(28.68,62.93) 28.66,62.93 U20.R13 ; v1(26.29,62.11) 26.23,62.11 U20.M12 ; U16.B3 v1(18.28,41.45) ; U20.V16 31.04,65.32 v1(31.07,65.32) ; U16.M1 v1(15.88,33.45) ; U15.E8 v1(34.28,39.05) ; 34.68,31.45 v1(35.08,31.85) ; U20.K10 v1(23.88,59.75) ; U20.N11 v1(27.08,60.55) ; U20.F20 v1(20.68,68.55) ; U6.6 U6.8 ; v1(26.3,63.75) 26.28,63.75 U20.M14 ; 34.68,37.85 v1(35.08,38.25) ; 34.68,37.05 v1(35.08,37.45) ; 37.2,83.91 v1(37.38,84.09) ; U15.P1 v1(27.88,31.05) ; U20.P4 v1(27.88,54.95) ; 22.68,31.44 v1(23.07,31.05) ; 28.28,33.04 v1(27.88,32.64) ; U15.B3 v1(30.28,41.45) ; 22.68,37.85 v1(23.08,38.24) ; U20.P10 v1(27.88,59.75)
  BOTTOM w0.102: C127.1 39.88,21.93 C103.2 ; v1(2.42,70.16) 2.42,71.1 C21.2 ; C34.2 37.06,59.83 C26.2 ; U13.54 13.41,78.03 v1(13.46,77.97) ; v1(23.08,32.65) 22.99,32.65 R49.2 ; v1(51.08,19.65) 51.26,19.84 C115.2 ; 44.41,52.33 v1(43.83,52.91) ; v1(40.06,25.5) 40.06,25.04
  BOTTOM w0.2: U13.45 21.28,73.48 v1(21.28,73.5) 21.28,72.98 U13.46 ; C135.2 10.8,91.84 11.15,91.49 11.15,90.76 C111.2 ; v1(23.95,75.08) 25.57,75.08 27.92,72.73 ; C57.2 25.83,66.42 C19.2
  BOTTOM w0.3: v1(37.32,24.74) 37.6,24.45 U8.4 39.47,24.45 ; U5.2 11.81,58.91 ; 38.26,50.33 v1(38.26,50.46) ; 28.66,57.35 28.56,57.45 28.16,57.45 ; U8.11 U8.11 ; U8.11 40.56,22.95 ; U8.11 40.56,21.25 ; v1(31.12,17.4) 29.65,17.4 ; Q9.2 43.7,56.84 v1(43.55,56.99) ; v1(1.05,62.97) 1.34,62.97 1.64,62.67 R96.2 ; v1(18.54,61.03) 18.73,61.22 C59.2 ; C24.2 31.27,61.44 C116.2 ; C108.2 10.03,63.98 C99.2 ; C53.2 38.41,15.14 C68.2 ; 31.97,95.28 v1(32.2,95.05) ; U10.23 25.58,17.98 ; C21.2 3.15,70.38 C120.2 ; v1(37.89,61.04) 37.8,60.95 C26.2 ; v1(1.4,79.05) 3.47,81.13 5.66,81.13 6.28,81.74 J4.5 ; C97.2 R48.2 ; v1(11.18,76.93) 11.18,75.98 ; 12.62,83.08 12.85,82.85 v1(12.85,82.2) ; C107.2 37.08,78.23 v1(37.08,78.23) C92.2 ; C1.2 2.7,27.9 ; v1(37.38,84.09) 37.38,84.1 R45.2 ; 40.56,26.77 U8.11 v1(40.06,25.5) ; R74.2 v1(26.99,28.44) ; 10.62,90.24 C112.2 10.85,89.25 v1(11,89.4) ; U8.8 40.29,23.95 ; v1(41.45,28.45) 40.74,28.45 ; R94.2 v1(6.35,66.09) 7.32,66.09 7.75,65.66 7.66,65.56 U19.4 ; 53.55,83.14 52.92,83.14 v1(52.6,83.46) 52.6,84.3 D9.1 ; D8.1 49.15,84.16 ; 12.79,40.8 13.1,40.49 14.91,40.49 v1(15.88,41.45) ; C109.2 15.66,27.14 v1(15.65,27.12) ; 12.96,40.36 C3.2 15.56,37.85 C98.2 ; R92.2 7.1,53.88 v1(7.1,53.88) ; U5.3 12.31,58.91 ; v1(2.42,70.16) 3.47,70.16 C124.2